# KiCad board rioctrl-controller.kicad_pcb (continued)
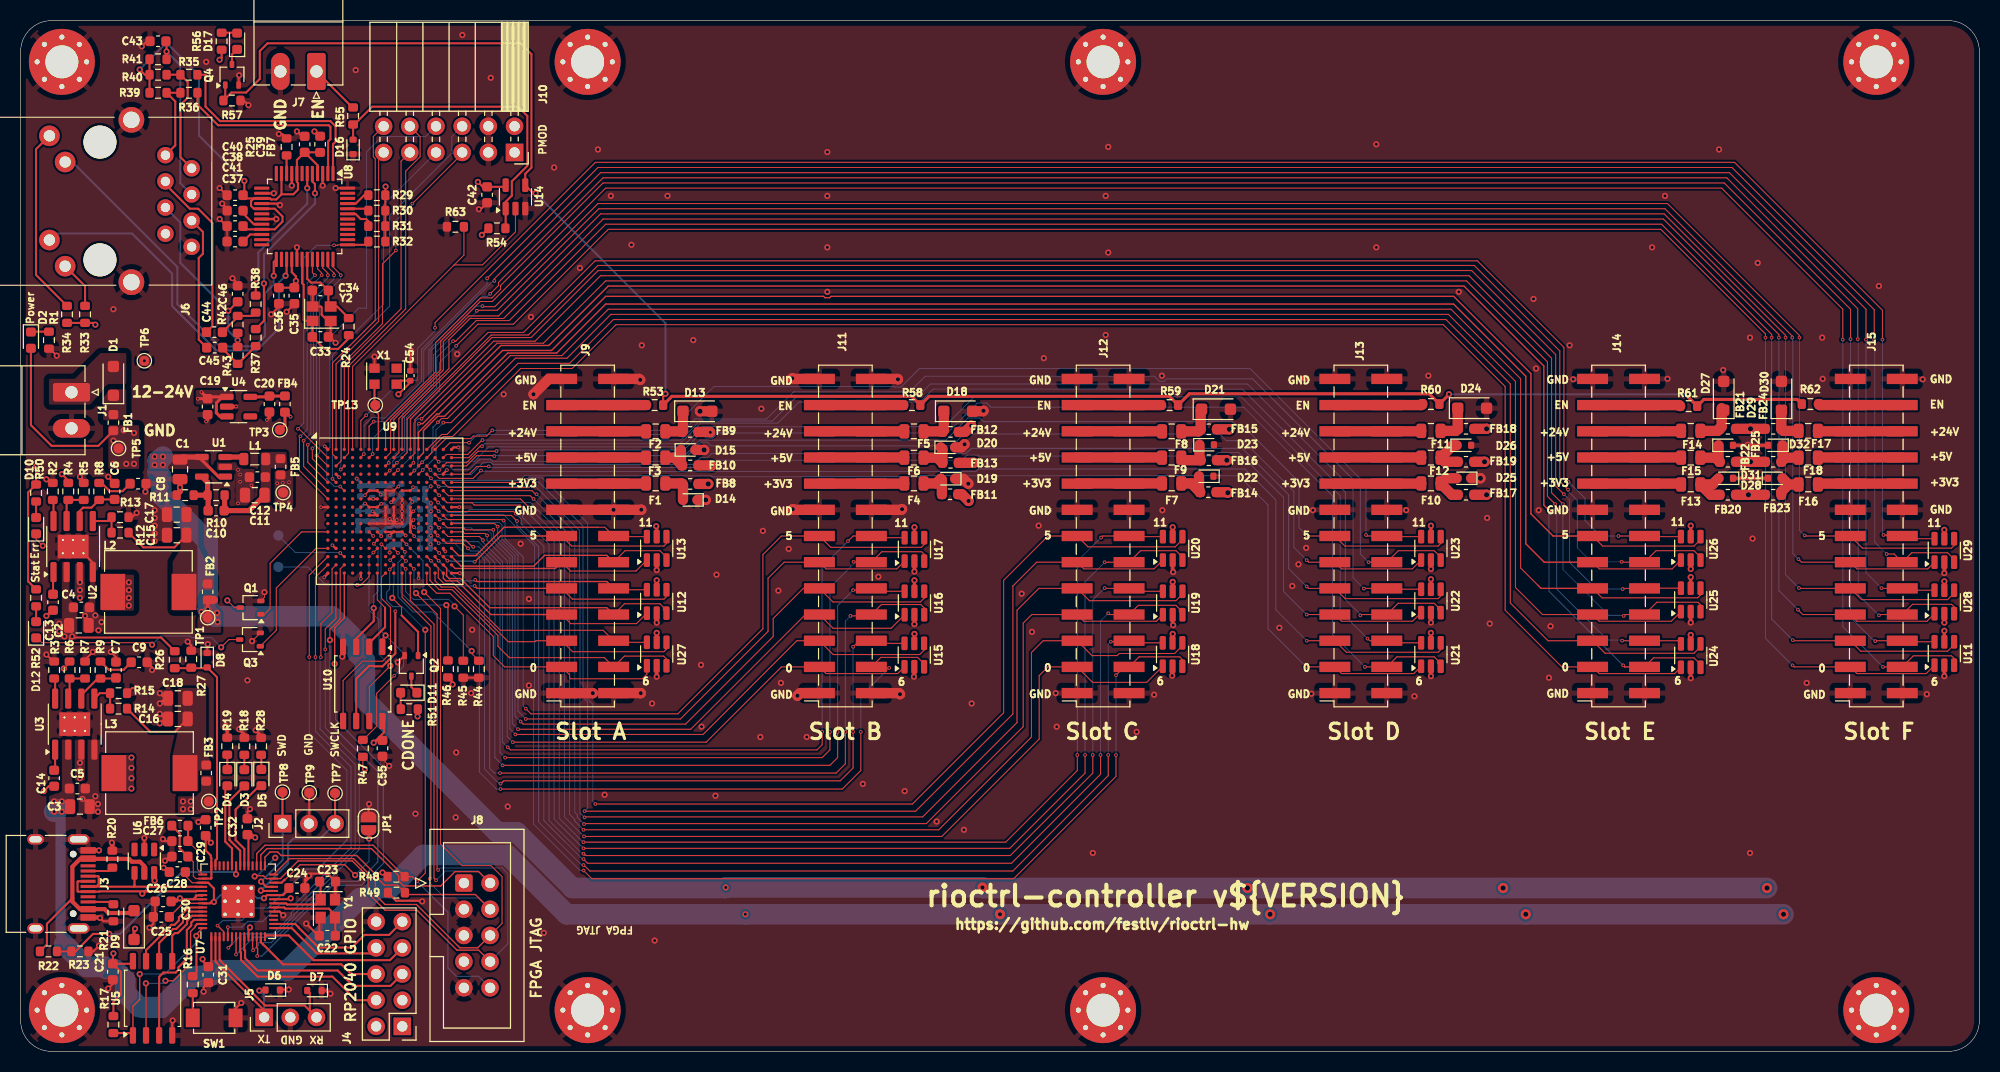
[diagram p0: board, top side]
## Routing (per net, layer and track width the routed paths; a pad name or vN(x,y) marks a point on that pad's centre or on a via; arc(x,y) is an arc through that point) (continued)
/FPGA/SD4: length 107
  Top w0.1: U23.1 135,46.81 128.13,46.81 J13.11 124.94,47.46 v4(124.75,47.65) ; U9.C14 v4(40.6,56.4)
  Bottom w0.1: v4(124.75,47.65) 123.5,48.9 123.5,54.33 118.58,59.25 116.95,59.25 116.3,59.9 91.5,59.9 90.35,58.75 66.96,58.75 66.61,59.1 65.99,59.1 64.14,57.25 45.78,57.25 45.58,57.45 44.55,57.45 43.55,56.45 41.9,56.45 41.53,56.82 41.02,56.82 v4(40.6,56.4)
/FPGA/SD5: length 106.4
  Top w0.1: v4(45.95,57.75) 45.9,57.8 44.25,57.8 43.25,56.8 U9.C16 ; U23.4 137.75,49.28 137.5,49.03 128.46,49.03 J13.13 124.8,50 v4(124.75,50.05)
  Bottom w0.1: v4(45.95,57.75) 46,57.8 64.41,57.8 65.91,59.3 89.74,59.3 91.89,61.45 93.04,61.45 93.39,61.1 117.56,61.1 118,60.66 118.59,60.66 124,55.25 124,50.8 v4(124.75,50.05)
/FPGA/SD6: length 119.1
  Top w0.1: v4(130.4,37.3) J13.4 133.5,38.28 137.12,38.28 137.45,37.94 137.45,37.66 U21.3 ; v4(46.16,58.23) 44.38,58.23 43.26,57.11 41.31,57.11 U9.C15
  Bottom w0.1: v4(46.16,58.23) 46.28,58.35 64.35,58.35 66,60 66.5,59.5 67.13,59.5 67.63,60 89.9,60 92.8,62.9 93.71,62.9 94.11,62.5 118.65,62.5 127.25,53.9 127.25,40.45 v4(130.4,37.3)
/FPGA/SD7: length 115
  Top w0.1: v4(130.65,40.05) 130.86,39.84 J13.6 132.72,39.64 U21.6 ; v4(40.55,57.2) 40.2,57.55 U9.B14
  Bottom w0.1: 130.72,39.97 128,42.7 128,53.9 118.4,63.5 92.5,63.5 89.6,60.6 66.15,60.6 64.2,58.65 45.4,58.65 43.95,57.2 v4(40.55,57.2)
/FPGA/SD8: length 115
  Top w0.1: v4(44.75,58.7) 44.57,58.7 43.47,57.6 U9.B16 ; v4(129.95,42.3) 130.03,42.38 J13.8 133.62,43.47 137.12,43.47 137.45,43.14 137.45,42.86 U22.3
  Bottom w0.1: v4(44.75,58.7) 45,58.95 63.95,58.95 65.95,60.95 73.45,60.95 75.5,63 87.25,63 88.5,64.25 118.5,64.25 128.5,54.25 128.5,43.85 129.95,42.4 v4(129.95,42.3)
/FPGA/SD9: length 111.1
  Top w0.1: U9.B15 41.31,57.91 43.36,57.91 44.75,59.3 v4(44.8,59.3) ; U22.6 132.6,44.84 J13.10 130.32,44.92 v4(130.3,44.9)
  Bottom w0.1: v4(130.3,44.9) 129.25,45.95 129.25,54.5 119,64.75 88.25,64.75 87,63.5 75.25,63.5 72.9,61.15 65.87,61.15 64.02,59.3 v4(44.8,59.3)
/FPGA/SD10: length 112.2
  Top w0.1: v4(130.75,47.45) 130.76,47.46 J13.12 133.63,48.58 137.12,48.58 137.75,47.94 U23.3 ; U9.A15 41.65,59.05 v4(43.5,59.05)
  Bottom w0.1: v4(43.5,59.05) 44.3,59.85 63.9,59.85 65.4,61.35 72.35,61.35 75,64 86.25,64 87.75,65.5 109.97,65.5 110.47,65 110.93,65 111.18,65.25 119.5,65.25 129.95,54.8 129.95,48.25 v4(130.75,47.45)
/FPGA/SD11: length 109
  Top w0.1: U9.A14 41.25,59.45 43.67,59.45 43.92,59.7 45.2,59.7 v4(45.75,60.25) ; U23.6 132.58,49.94 J13.14 130.6,50 v4(130.5,50.1)
  Bottom w0.1: v4(45.75,60.25) 63.7,60.25 64.3,60.85 64.3,61.56 67.24,64.5 84.74,64.5 84.79,64.45 85.41,64.45 87.21,66.25 119.25,66.25 130.5,55 v4(130.5,50.1)
/FPGA/SE0: length 154.2
  Top w0.1: U24.1 160.44,36.65 153.13,36.65 J14.3 149.5,37.3 144,42.8 144,64.5 138,70.5 57.75,70.5 53.5,66.25 48.5,66.25 41.9,59.65 41.01,59.65 39.89,58.53 39.89,58.09 U9.B13
/FPGA/SE1: length 155.2
  Top w0.1: U9.A13 40.85,59.85 41.35,59.85 48.25,66.75 53.25,66.75 57.5,71 138.25,71 144.5,64.75 144.5,43.5 148.16,39.84 J14.5 153.69,38.62 162.32,38.62 162.95,39.26 U24.4
/FPGA/SE2: length 154.8
  Top w0.1: U9.D12 v4(39,56.4) ; U25.1 160.12,41.73 153.13,41.73 J14.7 147.62,42.38 145,45 145,65 138.5,71.5 57.25,71.5 53,67.25 48,67.25 41.75,61 v4(41,61)
  Bottom w0.1: v4(39,56.4) 40.3,57.7 40.3,60.3 v4(41,61)
/FPGA/SE3: length 155.2
  Top w0.1: 147.2,45.2 145.5,46.9 145.5,65.25 138.75,72 57,72 52.5,67.5 47.5,67.5 41.4,61.4 40.83,61.4 40.6,61.17 40.6,61.03 v4(40.47,61.03) ; U25.4 162.95,44.28 162.67,44 153.4,44 J14.9
  Top w0.127: J14.9 147.48,44.92 147.2,45.2 ; U9.C12 v4(38.95,57.15)
  Bottom w0.127: v4(38.95,57.15) 40,58.2 40,60.57 v4(40.47,61.03)
/FPGA/SE4: length 150.4
  Top w0.1: U26.1 160.2,46.81 153.13,46.81 J14.11
  Top w0.127: J14.11 147.79,47.46 146,49.25 146,65.5 139,72.5 56.75,72.5 52,67.75 47.25,67.75 41.11,61.61 40.46,61.61 39.08,60.23 39.08,58.08 U9.B12
/FPGA/SE5: length 150.1
  Top w0.1: U26.4 162.95,49.66 162.32,49.03 153.46,49.03 J14.13
  Top w0.127: J14.13 148.65,50 146.5,52.15 146.5,65.75 139,73.25 78.61,73.25 78.48,73.12 78.02,73.12 77.89,73.25 56.75,73.25 51.5,68 46.75,68 40.59,61.84 40.37,61.84 38.6,60.07 U9.A12
/FPGA/SE6: length 163.9
  Top w0.1: U24.3 162.95,37.54 162.32,38.17 158.4,38.17 J14.4
  Top w0.127: v4(38.2,56.35) 37.85,56 U9.D11 ; v4(155.45,37.45) 155.6,37.3 J14.4 ; v4(148.3,52.45) 147.75,53 147.75,66.5 140,74.25 57,74.25 51.24,68.49 46.59,68.49 39,60.9 v4(38.65,60.9)
  Bottom w0.127: v4(38.2,56.35) 38.55,56.7 38.55,56.97 38.54,56.98 38.54,60.79 v4(38.65,60.9) ; v4(148.3,52.45) 148.25,52.4 148.25,44.65 v4(155.45,37.45)
/FPGA/SE7: length 159.9
  Top w0.1: v4(155.35,39.85) 155.65,39.85 155.66,39.84 J14.6 160.75,39.84 U24.6 ; v4(38.11,57.1) 37.8,56.8 U9.C11 ; v4(38.88,61.37) 46.22,68.7 50.7,68.7 56.75,74.75 140.25,74.75 148.1,66.9 148.1,53.85 v4(148.85,53.1)
  Bottom w0.1: v4(148.85,53.1) 148.85,52.95 149,52.8 149,44.85 153.95,39.9 155.3,39.9 v4(155.35,39.85) ; v4(38.11,57.1) 38.11,60.92 38.55,61.37 v4(38.88,61.37)
/FPGA/SE8: length 160.7
  Top w0.1: U25.3 162.95,43.32 162.7,43.58 158.72,43.58 J14.8 155.63,42.38 v4(155.5,42.25) ; U9.B11 38.25,58.05 38.25,61.3 38.72,61.77 38.75,61.77 45.88,68.9 49.9,68.9 56.25,75.25 140.5,75.25 148.5,67.25 148.5,54.2 v4(149.6,53.1)
  Bottom w0.1: v4(155.5,42.25) 155.45,42.3 154.05,42.3 149.6,46.75 v4(149.6,53.1)
/FPGA/SE9: length 156
  Top w0.1: U25.6 157.54,44.94 J14.10 155.47,44.92 v4(155.4,44.85) ; U9.A11 37.8,61.35 45.7,69.25 49.52,69.25 56.02,75.75 140.75,75.75 148.9,67.6 148.9,54.85 v4(149.7,54.05)
  Bottom w0.1: v4(155.4,44.85) 152.85,44.85 150.25,47.45 150.25,53.5 v4(149.7,54.05)
/FPGA/SE10: length 158.7
  Top w0.1: v4(155.3,47.5) 155.34,47.46 J14.12 158.63,48.58 162.32,48.58 162.95,47.94 U26.3 ; v4(150.1,54.5) 149.3,55.3 149.3,67.95 141,76.25 56,76.25 49.25,69.5 45.65,69.5 37.49,61.34 37.49,58.09 U9.B10
  Bottom w0.1: v4(150.1,54.5) 150.1,54.35 151,53.45 151,48.85 152.35,47.5 v4(155.3,47.5)
/FPGA/SE11: length 153.1
  Top w0.1: v4(155,50) J14.14 157.58,49.94 U26.6 ; v4(150.15,55.25) 150.1,55.25 149.7,55.65 149.7,68.3 141.3,76.7 55.73,76.7 48.78,69.75 45.35,69.75 37,61.4 U9.A10
  Bottom w0.1: v4(155,50) 153.25,50 151.75,51.5 151.75,53.65 v4(150.15,55.25)
/FPGA/SF0: length 198.6
  Top w0.1: U9.D9 v4(36.6,56.4) ; U11.1 184.84,36.65 178.13,36.65 J15.3 172.03,37.3 v4(171.88,37.45) ; v4(42.25,68.45) 44.35,70.55 47.8,70.55 57,79.75 159.1,79.75 169.25,69.6 v4(169.25,69.25)
  Bottom w0.1: v4(169.25,69.25) 169.25,40.08 v4(171.88,37.45) ; v4(42.25,68.45) 40.65,66.85 40.65,64 40.55,64 37.85,61.3 37.85,57.65 v4(36.6,56.4)
/FPGA/SF1: length 198.7
  Top w0.1: v4(41.95,68.9) 42.2,68.9 44.2,70.9 47.4,70.9 56.75,80.25 159.17,80.25 169.85,69.57 v4(169.85,69.25) ; U9.C9 v4(36.5,57.1) ; v4(171.9,39.9) 171.96,39.84 J15.5 178.5,38.83 186.92,38.83 187.55,39.46 U11.4
  Bottom w0.1: v4(169.85,69.25) 169.85,41.95 v4(171.9,39.9) ; v4(36.5,57.1) 37.45,58.05 37.45,61.5 40.35,64.4 40.35,67.3 v4(41.95,68.9)
/FPGA/SF2: length 193.6
  Top w0.1: v4(170.55,69.25) 170.55,69.55 159.35,80.75 56.5,80.75 46.85,71.1 43.58,71.1 41.55,69.07 41.55,66.25 36.69,61.39 36.69,58.09 U9.B9 ; U28.1 184.92,41.73 178.13,41.73 J15.7 172.87,42.38 v4(172.4,42.85)
  Bottom w0.1: v4(170.55,69.25) 170.55,44.7 v4(172.4,42.85)
/FPGA/SF3: length 193.8
  Top w0.1: U28.4 187.55,44.46 186.92,43.83 178.57,43.83 J15.9 172.53,44.92 v4(172.5,44.95) ; U9.A9 36.2,61.3 41,66.1 41,68.85 43.5,71.35 46.35,71.35 56.25,81.25 159.42,81.25 171.2,69.47 v4(171.2,69.25)
  Bottom w0.1: v4(171.2,69.25) 171.2,46.25 v4(172.5,44.95)
/FPGA/SF4: length 192.3
  Top w0.1: v4(44.25,71.85) 44.3,71.9 46.24,71.9 56.09,81.75 159.5,81.75 171.85,69.4 v4(171.85,69.25) ; U29.1 185,46.81 178.13,46.81 J15.11 172.74,47.46 v4(172.45,47.75) ; U9.D8 35.45,56 v4(35.8,56.35)
  Bottom w0.1: v4(172.45,47.75) 171.9,48.3 171.9,69 171.85,69.05 v4(171.85,69.25) ; v4(44.25,71.85) 44.25,71.77 40.05,67.57 40.05,64.5 37.25,61.7 37.25,58.25 36.65,57.65 36.48,57.65 36.1,57.27 36.1,56.75 36.15,56.7 v4(35.8,56.35)
/FPGA/SF5: length 192.4
  Top w0.1: U9.C8 v4(35.7,57.1) ; v4(172.55,69.25) 172.55,69.45 159.75,82.25 56,82.25 46,72.25 44.85,72.25 v4(44.8,72.3) ; U29.4 187.55,49.08 187.3,48.83 178.66,48.83 J15.13 173.1,50 v4(173.05,50.05)
  Bottom w0.1: v4(172.55,69.25) 172.55,50.55 v4(173.05,50.05) ; v4(35.7,57.1) 35.7,57.3 37.05,58.65 37.05,61.85 39.8,64.6 39.8,67.97 44.13,72.3 v4(44.8,72.3)
/FPGA/SF6: length 205
  Top w0.1: U9.B8 35.89,58.09 35.89,61.27 40.75,66.13 40.75,68.92 44.58,72.75 45.75,72.75 56.75,83.75 165,83.75 176.75,72 v4(176.75,69.05) ; v4(180.65,37.3) J15.4 183.59,38.38 187.3,38.38 187.55,38.12 U11.3
  Bottom w0.1: v4(176.75,69.05) 176.75,41.2 v4(180.65,37.3)
/FPGA/SF7: length 200.4
  Top w0.1: v4(179.9,39.8) 179.94,39.84 J15.6 182.62,39.74 U11.6 ; v4(177.5,69.1) 177.5,72 165.25,84.25 56.5,84.25 46.55,74.3 46.55,73.93 45.72,73.1 44.6,73.1 40.25,68.75 40.25,65.92 35.4,61.07 U9.A8
  Bottom w0.1: v4(177.5,69.1) 177.5,42.1 179.65,39.95 179.75,39.95 v4(179.9,39.8)
/FPGA/SF8: length 202.9
  Top w0.1: v4(178.2,69.1) 178.2,72.05 165.5,84.75 56.5,84.75 46.35,74.6 46.35,74.3 v4(45.55,73.5) ; U9.B6 v4(34.15,57.95) ; v4(180.25,42.3) 180.33,42.38 J15.8 183.51,43.38 187.3,43.38 187.55,43.12 U28.3
  Bottom w0.1: v4(180.25,42.3) 178.25,44.3 178.25,69.05 v4(178.2,69.1) ; v4(34.15,57.95) 34.15,59.45 39.6,64.9 39.6,68.05 44.8,73.25 45.3,73.25 v4(45.55,73.5)
/FPGA/SF9: length 198
  Top w0.1: v4(34.25,61.1) 33.8,60.65 U9.A6 ; v4(45.95,74.75) 45.95,74.95 56.25,85.25 165.75,85.25 179,72 v4(179,69.05) ; U28.6 182.7,44.74 J15.10 180.53,44.92 v4(180.5,44.95)
  Bottom w0.1: v4(34.25,61.1) 35.35,61.1 39.1,64.85 39.1,68 45.85,74.75 v4(45.95,74.75) ; v4(180.5,44.95) 179,46.45 v4(179,69.05)
/FPGA/SF10: length 200
  Top w0.1: U29.3 187.55,47.74 186.92,48.38 183.44,48.38 J15.12 181.73,48.25 v4(181,48.25) ; v4(33.3,57.95) 33,57.65 U9.B5 ; v4(179.8,69.05) 179.8,71.95 166,85.75 56,85.75 v4(45.25,75)
  Bottom w0.1: v4(33.3,57.95) 33.3,60.72 34.08,61.5 34.7,61.5 34.75,61.45 35.38,61.45 38.9,64.97 38.9,68.1 45.25,74.45 v4(45.25,75) ; v4(181,48.25) 179.85,49.4 179.85,69 v4(179.8,69.05)
/FPGA/SF11: length 195.9
  Top w0.1: v4(33.52,61.72) 33,61.2 U9.A5 ; v4(40.2,70.2) 40.2,70.7 55.75,86.25 166.25,86.25 180.6,71.9 v4(180.6,69.05) ; U29.6 182.78,49.74 J15.14 181.05,50 180.95,50.1 v4(180.7,50.1)
  Bottom w0.1: v4(33.52,61.72) 36.9,65.1 38.5,65.1 38.5,68.2 40.2,69.9 v4(40.2,70.2) ; v4(180.6,69.05) 180.6,50.2 v4(180.7,50.1)
/FPGA/SPI.CLK: length 47.3
  Top w0.1: v4(28,38.25) 28,46.2 U9.P1
  Top w0.127: U7.4 19.7,11.61 19.11,12.2 v4(19.1,12.2)
  Bottom w0.1: 31.65,21.55 31.65,27.25 28,30.9 v4(28,38.25)
  Bottom w0.127: 31.65,21.55 31.65,20.5 28.84,17.69 27.79,17.69 24,13.9 22.19,13.9 21.81,13.52 21.81,13.05 21.46,12.7 19.6,12.7 v4(19.1,12.2)
/FPGA/SPI.CS: length 46.6
  Top w0.1: v4(29.55,39) 29.55,40.99 30.6,42.04 U9.T2
  Top w0.127: U7.7 v4(20.9,9.4)
  Bottom w0.1: 32.8,19.55 32.85,19.6 32.85,28.1 29.55,31.4 v4(29.55,39)
  Bottom w0.127: v4(20.9,9.4) 22.57,11.07 24.46,11.07 26.48,13.09 26.48,13.23 32.8,19.55
/FPGA/SPI.MISO: length 47.2
  Top w0.1: U9.R2 30.21,46.81 30.21,42.58 29.13,41.49 v4(29.13,38.25)
  Top w0.127: U7.6 20.5,10.4 v4(20.15,10.05)
  Bottom w0.1: v4(29.13,38.25) 29.05,38.17 29.05,31.25 32.45,27.85 32.45,19.65 31.9,19.1
  Bottom w0.127: 31.9,19.1 26.25,13.45 26.25,13.19 24.46,11.4 21.5,11.4 v4(20.15,10.05)
/FPGA/SPI.MOSI: length 45.4
  Top w0.1: U9.R1 28.6,46 v4(28.6,38.25)
  Top w0.127: U7.5 v4(20.1,12.05)
  Bottom w0.1: 32.05,19.75 32.05,27.6 28.6,31.05 v4(28.6,38.25)
  Bottom w0.127: v4(20.1,12.05) 21.47,12.05 22.02,12.6 23.47,12.6 25.16,14.29 26.59,14.29 32.05,19.75
/FPGA/W5500.MISO: length 23.5
  Top w0.1: U9.E1 27.85,57.15 v4(27.85,58.85) ; v4(29.8,75.3) 29.8,75.5 29.3,76 U8.34
  Bottom w0.1: v4(29.8,75.3) 29.8,75.05 28.4,73.65 28.4,59.4 v4(27.85,58.85)
/FPGA/W5500.MOSI: length 22.6
  Top w0.1: 30.35,75.55 29.8,76.1 U8.35 ; 30.35,75.55 30.39,75.51 ; 30.35,75.55 30.4,75.5 v4(30.4,75.3) ; U9.D1 28.3,57.5 v4(28.3,58.5)
  Bottom w0.1: v4(30.4,75.3) 30.4,74.95 28.7,73.25 28.7,58.9 v4(28.3,58.5)
/FPGA/W5500.nINT: length 21.8
  Top w0.1: U8.36 30.3,76.1 31.05,75.35 v4(31.05,75.3) ; U9.C1 28.8,57.8 v4(28.7,57.8)
  Bottom w0.1: v4(31.05,75.3) 31.05,74.95 29,72.9 29,58.1 v4(28.7,57.8)
/FPGA/W5500.nRST: length 27.8
  Top w0.1: v4(26.9,60.4) 27,60.4 U9.B1 ; U8.37 30.75,78.25 30.7,78.2 v4(30.4,78.2)
  Top w0.2: U8.37 33.41,78.25 R32.2
  Bottom w0.1: v4(30.4,78.2) 28.7,78.2 27.45,76.95 27.45,60.95 v4(26.9,60.4)
/FPGA/W5500.nSCS: length 25.1
  Top w0.1: U8.32 28.3,75.55 v4(28.55,75.3) ; v4(27.13,59.67) 27.05,59.59 27.05,56.35 U9.G1
  Bottom w0.1: v4(27.13,59.67) 27.8,60.34 27.8,74.55 v4(28.55,75.3)
/FPGA/W5500.SCLK: length 24.3
  Top w0.1: U9.F1 27.45,56.75 v4(27.45,59.25) ; U8.33 28.8,75.92 29.2,75.53 v4(29.2,75.3)
  Bottom w0.1: v4(29.2,75.3) 28.15,74.25 28.15,59.9 28.1,59.9 v4(27.45,59.25)
/RP2040 JTAG/DBG_UART_RX: length 16.9
  Top w0.2: U7.3 19.3,8.91 19.38,8.84 19.38,8.79 23.72,4.45 27.55,4.45 J5.3 28.05,3.95 28.05,5.65 D7.2
/RP2040 JTAG/DBG_UART_TX: length 13.2
  Top w0.2: U7.2 18.9,8.75 18.97,8.67 18.97,8.62 23.62,3.98 J5.1 ; v1(23.15,5.9) 23.7,5.9 D6.2
  Bottom w0.2: v1(23.15,5.9) 23.62,5.43 J5.1
/RP2040 JTAG/FLASH_CLK: length 7.4
  Top w0.2: U7.52 16.48,13.56 15.75,12.83 15.75,12.54 15.09,11.88 14.79,11.88 13.44,10.52 U5.6
/RP2040 JTAG/FLASH_CS: length 20.7
  Top w0.127: U5.1 10.89,4.4 11.55,5.05 v1(11.55,7.5) ; U7.56 17.05,11.35 v1(17.05,11.2)
  Top w0.2: R16.1 17.05,7.65 v1(17.05,11.2) ; U5.1 10.67,1.78 R17.1
  Bottom w0.127: v1(17.05,11.2) 17.05,10.55 14,7.5 v1(11.55,7.5)
/RP2040 JTAG/GPIO6: length 17
  Top w0.2: J4.4 32.53,4.97 30.25,7.25 23,7.25 21.38,8.88 21.38,9.6 21.3,9.67 U7.8
/RP2040 JTAG/GPIO7: length 19
  Top w0.2: U7.9 21.7,9.84 21.78,9.76 21.78,9.04 22.97,7.85 30.75,7.85 32.25,6.35 35.87,6.35 37.03,7.5
/RP2040 JTAG/GPIO10: length 13
  Top w0.2: U7.13 23.3,10.59 23.5,10.39 23.51,10.39 25.45,8.45 31.1,8.45 32.05,7.5 34.48,7.5
/RP2040 JTAG/GPIO11: length 14.9
  Top w0.2: U7.14 23.83,11.25 26,11.25 28.4,8.85 35.83,8.85 37.03,10.04
/RP2040 JTAG/GPIO12: length 11.2
  Top w0.2: 34.48,10.04 33.94,9.5 28.75,9.5 26.29,11.96 U7.15
/RP2040 JTAG/GPIO13: length 14.5
  Top w0.2: 37.03,12.58 35.74,11.3 33.35,11.3 32.12,10.07 28.9,10.07 27,11.98 27,12 26.64,12.36 U7.16
/RP2040 JTAG/JTAG.RST: length 66.5
  Top w0.1: v1(39.25,40.9) 39.25,17.3 v4(38.45,16.5) ; v4(35.8,46.76) 36.2,47.16 U9.R9
  Top w0.127: v4(38.45,16.5) 38,16.95 R48.2 34.2,20 23.71,20 22.9,19.19 U7.31
  Bottom w0.1: v4(35.8,46.76) 35.8,44.85 35.5,44.55 35.5,43.75 36.1,43.15 37,43.15 v1(39.25,40.9)
  Bottom w0.127: J8.10 44.42,7.28 42.27,7.28 41.45,8.1 41.45,13.5 v4(38.45,16.5)
/RP2040 JTAG/JTAG.RX: length 48.4
  Top w0.127: v1(30.46,37.6) 30.46,41.11 31.4,42.05 U9.T3 ; U7.12 22.9,10.07 22.99,9.98 22.99,9.29 v4(22.95,9.25)
  Bottom w0.127: v4(22.95,9.25) 23.4,9.25 30.27,16.12 33.07,16.12 35.19,18.24 35.19,27.56 30.55,32.2 30.55,37.51 v1(30.46,37.6)
/RP2040 JTAG/JTAG.TCK: length 63.5
  Top w0.1: U9.T10 37,44.05 39.8,41.25 39.8,16.85 v4(39.7,16.75)
  Top w0.127: U7.29 23.7,18.85 24.2,19.35 24.93,19.35 25.28,19 32.6,19 34.55,17.05 34.55,16.86 35.28,16.14 36.54,16.14 R49.1 37.46,15.22 44.11,15.22 J8.4
  Bottom w0.1: v4(39.7,16.75) 39.7,16.35 41.16,14.89 44.44,14.89 J8.4
/RP2040 JTAG/JTAG.TDI: length 78.6
  Top w0.1: U9.R11 37.8,47.15 v4(38.15,46.8) ; v4(40.5,17.6) 40.4,17.7 40.4,42.41 v1(38.35,44.46)
  Top w0.127: J8.8 44.42,9.82 42.33,9.82 38.45,13.7 35.35,13.7 33.7,15.35 33.7,16.95 32.18,18.47 26.91,18.47 25.2,16.76 U7.27 23.83,16.76 23.56,17.04 22.76,17.04 v1(22.7,16.98) ; v1(24.7,18.78) 24.78,18.7
  Bottom w0.1: v1(38.35,44.46) 38.29,44.46 38.15,44.6 38.15,44.6 v4(38.15,46.8) ; v4(40.5,17.6) 40.7,17.8 46.7,17.8 47.25,17.25 47.25,10.42 J8.8
  Bottom w0.127: v1(24.7,18.78) 22.97,17.05 22.78,17.05 v1(22.7,16.98)
/RP2040 JTAG/JTAG.TDO: length 71.1
  Top w0.1: J8.6 46.7,12.41 46.7,16.95 45.62,18.03 42.83,18.03 40.72,20.12 40.72,42.97 v1(39.14,44.56) ; U9.M10 37.02,49.6 v4(37.43,49.19)
  Top w0.127: U7.28 26.08,18.7 32.3,18.7 34.4,16.6 34.4,15.2 35.35,14.25 38.4,14.25 42.6,10.05 44.34,10.05 J8.6
  Bottom w0.1: 39.03,44.62 39.03,47.59 v4(37.43,49.19) ; 39.03,44.62 39.09,44.56 v1(39.14,44.56) ; 39.03,44.62 39.05,44.6
/RP2040 JTAG/JTAG.TMS: length 63.3
  Top w0.1: U9.T11 37.8,43.75 40.1,41.45 40.1,16.8 v4(40.3,16.6)
  Top w0.127: U7.30 23.3,19.07 23.9,19.67 34.03,19.67 36.69,17.01 36.69,16.52 37.16,16.05 40.75,16.05 42.14,17.44 44.42,17.44 J8.2
  Bottom w0.1: v4(40.3,16.6) 41.2,17.5 44.37,17.5 J8.2
/RP2040 JTAG/JTAG.TX: length 48.5
  Top w0.1: U9.R3 31,46.8 31,41.95 30,40.95 v1(30,39.9)
  Top w0.127: v4(22.55,9.8) 22.5,9.85 U7.11
  Bottom w0.127: v1(30,39.9) 30,31.8 34.65,27.15 34.65,18.4 32.75,16.5 30.25,16.5 24.3,10.55 23.05,10.55 23.05,10.3 v4(22.55,9.8)
/RP2040 JTAG/LED_BLUE: length 9.3
  Top w0.2: D5.2 23.17,25.78 20.85,23.45 20.85,20.5 21.7,19.65 U7.34
/RP2040 JTAG/LED_GRN: length 8.8
  Top w0.2: U7.35 21.3,19.47 20.25,20.52 20.25,24.3 D3.2
/RP2040 JTAG/LED_RED: length 8.1
  Top w0.2: U7.37 20.5,19.7 19.85,20.35 19.85,25.56 D4.2
/RP2040 JTAG/SWCLK: length 15.4
  Top w0.2: J2.3 30.5,22.11 TP7.1 ; v1(23.3,15.6) 23.34,15.56 U7.24
  Bottom w0.2: v1(23.3,15.6) 23.3,15.87 23.57,15.87 25.95,18.25 25.95,20.15 26.45,20.65 29.06,20.65 J2.3
/RP2040 JTAG/SWD: length 11
  Top w0.2: J2.1 25.4,22.12 TP8.1 ; v1(23.33,16.47) 23.84,15.96 U7.25
  Bottom w0.2: J2.1 25.42,18.57 v1(23.33,16.47)
/RP2040 JTAG/USB_D_N: length 14.6
  Top w0.2: J3.A7 7.3,16 ; 7.3,16 7.63,16 7.66,15.97 11,15.97 ; 7.3,16 7.35,16 7.57,16.22 7.57,16.95 7.52,17 J3.B7 ; 11,15.97 11,16.08 11.05,16.12 U6.4 ; 11,15.97 17.03,15.97 17.04,15.96 U7.46
/RP2040 JTAG/USB_D_P: length 17.6
  Top w0.2: 12.65,15.53 12.03,15.53 v1(11.8,15.3) ; 12.65,15.53 7.66,15.53 7.63,15.5 J3.B6 5.57,15.5 5.52,15.55 5.52,16.45 5.57,16.5 J3.A6 ; 12.65,15.53 17.03,15.53 17.06,15.56 U7.47 ; v1(13,16.58) 12.95,16.62 U6.6
  Bottom w0.2: v1(11.8,15.3) 13,16.5 v1(13,16.58)
/SlotEN: length 190.2
  Top w0.2: v1(49.95,83.25) 49.74,83.25 U14.4 48.95,85.14 49.55,85.74 49.55,96.75 48.5,97.8 23.95,97.8 23.2,97.05 23.2,94.35 21.88,93.03 20.45,93.03 R57.2 19.85,92.42 Q4.1 ; v1(138.55,63.75) 138.48,63.68 138.48,63.65 ; v1(62.55,63.8) 62.33,63.58 R53.1
  Top w0.3: R62.1 172.32,63.25 163.28,63.25 R61.1 161.8,63.42 v1(161.8,63.75) ; 138.48,63.65 R60.1 136.62,63.8 113.38,63.8 112.28,62.7 111.43,63.55 88.12,63.55 87.28,62.7 86.43,63.55 63.17,63.55 R53.1
  Bottom w0.2: v1(62.55,63.8) 62.55,70.65 v1(49.95,83.25) ; v1(138.55,63.75) v1(161.8,63.75)
/W5500 interface/LED_GRN: length 37.2
  Top w0.2: v1(24.55,75.25) 24.55,76.59 U8.25
  Bottom w0.2: v1(24.55,75.25) 24.55,74.4 23.7,73.55 23.7,69.4 22.7,68.4 19.3,68.4 15.2,72.5 15.2,76.1 5.02,86.28 J6.10
/W5500 interface/LED_YEL: length 37
  Top w0.2: v1(25.7,75.25) 25.8,75.35 U8.27
  Bottom w0.2: v1(25.7,75.25) 25.05,74.6 25.05,70.15 22.9,68 19,68 14.7,72.3 14.7,75.45 10.8,79.35 3.43,79.35 J6.11
Net-(C8-Pad1): length 3.6
  Top w0.2: R8.2 7.85,55.15 8.65,54.35 9.89,54.35 C8.1
Net-(C9-Pad1): length 3.6
  Top w0.2: C9.1 10,37.03 8.55,37.03 R9.2
Net-(C10-Pad1): length 6.1
  Top w0.5: R10.1 19.79,52.51 C10.1 22.16,52.46 C11.1
Net-(C15-Pad1): length 6.7
  Top w0.2: R12.1 11.89,48.9 14.92,48.9 C15.1
Net-(C16-Pad1): length 7.3
  Top w0.2: R14.1 12.58,31 14.95,31 C16.1
Net-(C44-Pad1): length 4.1
  Top w0.2: C44.1 21.05,71.25 R42.1 22.48,71.35 R38.2
Net-(C45-Pad1): length 4.6
  Top w0.2: C45.1 19.6,68.15 R43.1 21.08,66.7 R37.2
Net-(D2-K): length 1.9
  Top w0.2: 2.75,70 R1.1 1.04,69.83 D2.1
Net-(D3-K): length 1.4
  Top w0.2: D3.1 21.7,28.78
Net-(D4-K): length 1.5
  Top w0.2: R19.1 20.05,28.78 D4.1
Net-(D5-K): length 1.4
  Top w0.2: R28.1 23.35,28.75 D5.1
Net-(D10-A): length 1.6
  Top w0.2: D10.2 R50.2
Net-(D10-K): length 23.1
  Top w0.1: v1(2.15,49.05) 1.5,49.7 D10.1 ; Q1.3 20.75,43.05 v1(20.05,43.75)
  In2.Cu w0.1: v1(2.15,49.05) 3.65,47.55 13,47.55 16.8,43.75 v1(20.05,43.75)
Net-(D11-A): length 1.6
  Top w0.2: D11.2 36.86,33.21 R51.2
Net-(D11-K): length 1.8
  Top w0.2: D11.1 37.9,35.34 Q2.3
Net-(D12-A): length 1.4
  Top w0.2: 1.5,41.79 R52.2
Net-(D12-K): length 21.2
  Top w0.1: 1.5,40.21 2.06,39.65 12.55,39.65 v1(12.75,39.45) ; Q3.3 20.2,39.95 v1(19.45,39.2)
  Bottom w0.1: v1(19.45,39.2) 18.5,40.15 16.58,40.15 16.43,40.3 13.6,40.3 v1(12.75,39.45)
Net-(D13-A1): length 3.7
  Top w1: D13.1 64.25,60.19 FB9.2 64.11,60.15 F2.1
Net-(D14-A2): length 3.2
  Top w1: F1.1 64.11,55.1 FB8.2 64.25,54.96 D14.2
Net-(D15-A1): length 3.5
  Top w1: F3.2 63.41,57.6 FB10.1 64.05,56.96 D15.1
Net-(D16-A2): length 31.2
  Top w0.2: D16.2 R55.2 32.38,89.92 34.1,91.65 48.25,91.65 49.15,90.75 49.15,85.9 47.65,84.4 47.65,83.02 47.05,82.42 U14.1 47.05,79.88 R54.2
Net-(D17-A): length 1.5
  Top w0.2: R56.2 20.96,98.83 D17.2
Net-(D17-K): length 1.7
  Top w0.2: D17.1 20.5,96.71 Q4.3
Net-(D18-A1): length 3.9
  Top w1: F5.1 89.36,60.15 FB12.2 89.55,60.24 D18.1
Net-(D19-A2): length 3.4
  Top w1: F4.1 88.8,55.1 D19.2 89.36,55.44 FB11.2
Net-(D20-A1): length 3.6
  Top w1: D20.1 89.41,58.44 FB13.1 88.91,57.6 F6.2
Net-(D21-A1): length 3.9
  Top w1: F8.1 114.26,60.15 FB15.2 114.46,62.21 D21.1
Net-(D22-A2): length 3.8
  Top w1: F7.1 113.56,55.1 FB14.2 114.3,54.36 D22.2
Net-(D23-A1): length 3.5
  Top w1: D23.1 114.35,57.46 FB16.1 112.84,57.35 F9.2
Net-(D24-A1): length 3.8
  Top w1: F11.1 139.21,60.2 FB18.2 139.4,60.41 D24.1
Net-(D25-A2): length 3.9
  Top w1: D25.2 138.24,55.6 F10.1 138.84,54 FB17.2
Net-(D26-A1): length 3.9
  Top w1: FB19.1 138.14,57.2 F12.2 138.94,58.8 D26.1
Net-(D27-A1): length 4
  Top w1: 165,62.4 165,60.59 FB21.2 164.61,60.2 F14.1
Net-(D28-A2): length 4.3
  Top w1: FB20.2 163.94,54 F13.1 164.1,55 D28.2
Net-(D29-A1): length 3.7
  Top w1: F15.2 164.41,57.6 FB22.1 164.7,57.31 D29.1
Net-(D30-A1): length 3.6
  Top w1: D30.1 170.79,62.19 FB24.2 170.99,60.2 F17.1
Net-(D31-A2): length 3.1
  Top w1: F16.1 171.5,55 ; 171.5,55 D31.2 ; 171.5,55 170.79,54.29 FB23.2
Net-(D32-A1): length 3.2
  Top w1: F18.2 171.19,57.6 ; 171.19,57.6 FB25.1 ; 171.19,57.6 170.9,57.89 D32.1
Net-(J3-CC1): length 2.5
  Top w0.2: J3.A5 8.58,17.5 R20.2
Net-(J3-CC2): length 2.5
  Top w0.2: J3.B5 8.78,14.5 R21.1
Net-(J6-Pad9): length 18.3
  Top w0.2: R34.1 1.49,75.33 1.49,87.52 J6.9
Net-(J6-Pad12): length 4.7
  Top w0.2: R33.1 6.25,74.24 J6.12
Net-(J6-RCT): length 18.7
  Top w0.2: v1(20.14,71.85) 20.24,71.75 20.3,71.75 20.3,71.97 C46.1 ; R42.2 R43.2 20.98,68.28
  Bottom w0.2: v1(21.05,69) 20.14,69.91 v1(20.14,71.85) 15.49,76.51 15.49,80.42 J6.5
Net-(J6-RD+): length 17.2
  Top w0.2: J6.3 14.05,84.12 16.42,81.75 17.22,81.75 18.6,80.38 18.6,70.35 C44.2
Net-(J6-RD-): length 13.4
  Top w0.2: J6.6 17.69,79.5 17.69,77.39 17.28,76.98 17.28,69.05 C45.2 18.05,68.43
Net-(J6-TCT): length 16.6
  Top w0.2: R41.2 v1(14.16,97) 14.16,97.94 C43.1
  Bottom w0.2: v1(14.16,97) 15.49,95.67 15.49,84.23 J6.4
Net-(J6-TD+): length 8.1
  Top w0.2: R36.2 R39.2 15,92.16 15,87.9 J6.1
Net-(J6-TD-): length 11.4
  Top w0.2: J6.2 15.5,86.76 15.5,91.81 16.2,92.51 16.2,94.05 R35.2 R40.2
Net-(J7-Pin_1): length 5
  Top w0.2: R55.1 32.19,91.58 J7.1
Net-(J9-Pin_17): length 8.2
  Top w1: J9.17 J9.18 60.64,55.08 F1.2
Net-(J9-Pin_19): length 8.2
  Top w1: J9.19 J9.20 60.64,57.62 F3.1
Net-(J9-Pin_21): length 8.2
  Top w1: F2.2 60.65,60.16 J9.22 J9.21
Net-(J9-Pin_23): length 8.2
  Top w1: R53.2 J9.24 J9.23
Net-(J11-Pin_17): length 8.2
  Top w1: F4.2 85.69,55.08 J11.18 J11.17
Net-(J11-Pin_19): length 8.2
  Top w1: F6.1 85.69,57.62 J11.20 J11.19
Net-(J11-Pin_21): length 8.2
  Top w1: J11.21 J11.22 82.53,60.15 F5.2
Net-(J11-Pin_23): length 8.1
  Top w1: J11.23 J11.24 R58.2
Net-(J12-Pin_17): length 8.2
  Top w1: F7.2 102.5,55.1 J12.17
Net-(J12-Pin_19): length 8.2
  Top w1: F9.1 110.69,57.62 J12.19
Net-(J12-Pin_21): length 8.2
  Top w1: J12.21 110.7,60.16 F8.2
Net-(J12-Pin_23): length 8.1
  Top w1: J12.23 R59.2
Net-(J13-Pin_17): length 8.4
  Top w1: F10.2 135.84,55.08 J13.17
Net-(J13-Pin_19): length 8.4
  Top w1: F12.1 135.84,57.62 J13.19
Net-(J13-Pin_21): length 8.4
  Top w1: J13.21 135.82,60.16 F11.2
Net-(J13-Pin_23): length 8.5
  Top w1: J13.23 135.88,62.7 R60.2
Net-(J14-Pin_17): length 8.6
  Top w1: F13.2 160.98,55.08 J14.18 J14.17
Net-(J14-Pin_19): length 8.6
  Top w1: F15.1 161.04,57.62 J14.19
Net-(J14-Pin_21): length 8.6
  Top w1: J14.21 161.02,60.16 F14.2
Net-(J14-Pin_23): length 8.5
  Top w1: J14.23 160.88,62.7 R61.2
Net-(J15-Pin_17): length 8.2
  Top w1: J15.18 174.42,55.08 F16.2
Net-(J15-Pin_19): length 8.2
  Top w1: J15.20 174.36,57.62 F18.1
Net-(J15-Pin_21): length 8.2
  Top w1: J15.22 174.38,60.16 F17.2
Net-(J15-Pin_23): length 8.1
  Top w1: J15.24 174.53,62.7 R62.2
Net-(JP1-B): length 14
  Top w0.127: v1(33.8,20.65) 33.8,21.4 JP1.2 ; 25.65,16.65 27.1,18.1 31.45,18.1 v1(32.45,17.1)
  Top w0.2: U7.26 25.31,16.36 25.6,16.65 25.65,16.65
  Bottom w0.127: v1(32.45,17.1) 33.8,18.45 v1(33.8,20.65)
Net-(SW1-A): length 2.4
  Top w0.2: R16.2 SW1.2
Net-(U1-FB): length 4.9
  Top w0.5: C10.2 18.19,53.91 R10.2 ; R10.2 18.14,55.2 U1.5 ; R10.2 R11.1
